# Altium PCB Minion_Rev2.PcbDoc (part 6 of 11)
Units mil, origin at the board's own origin, x right, y up, seen from the top; angles counter-clockwise.
Board outline 4724.41 x 6929.13 mil, 4 copper layers (L1, L2, L3, L4), stack 62.087 mil thick; 873 components, 147 nets, 5651 pads, 5666 vias.
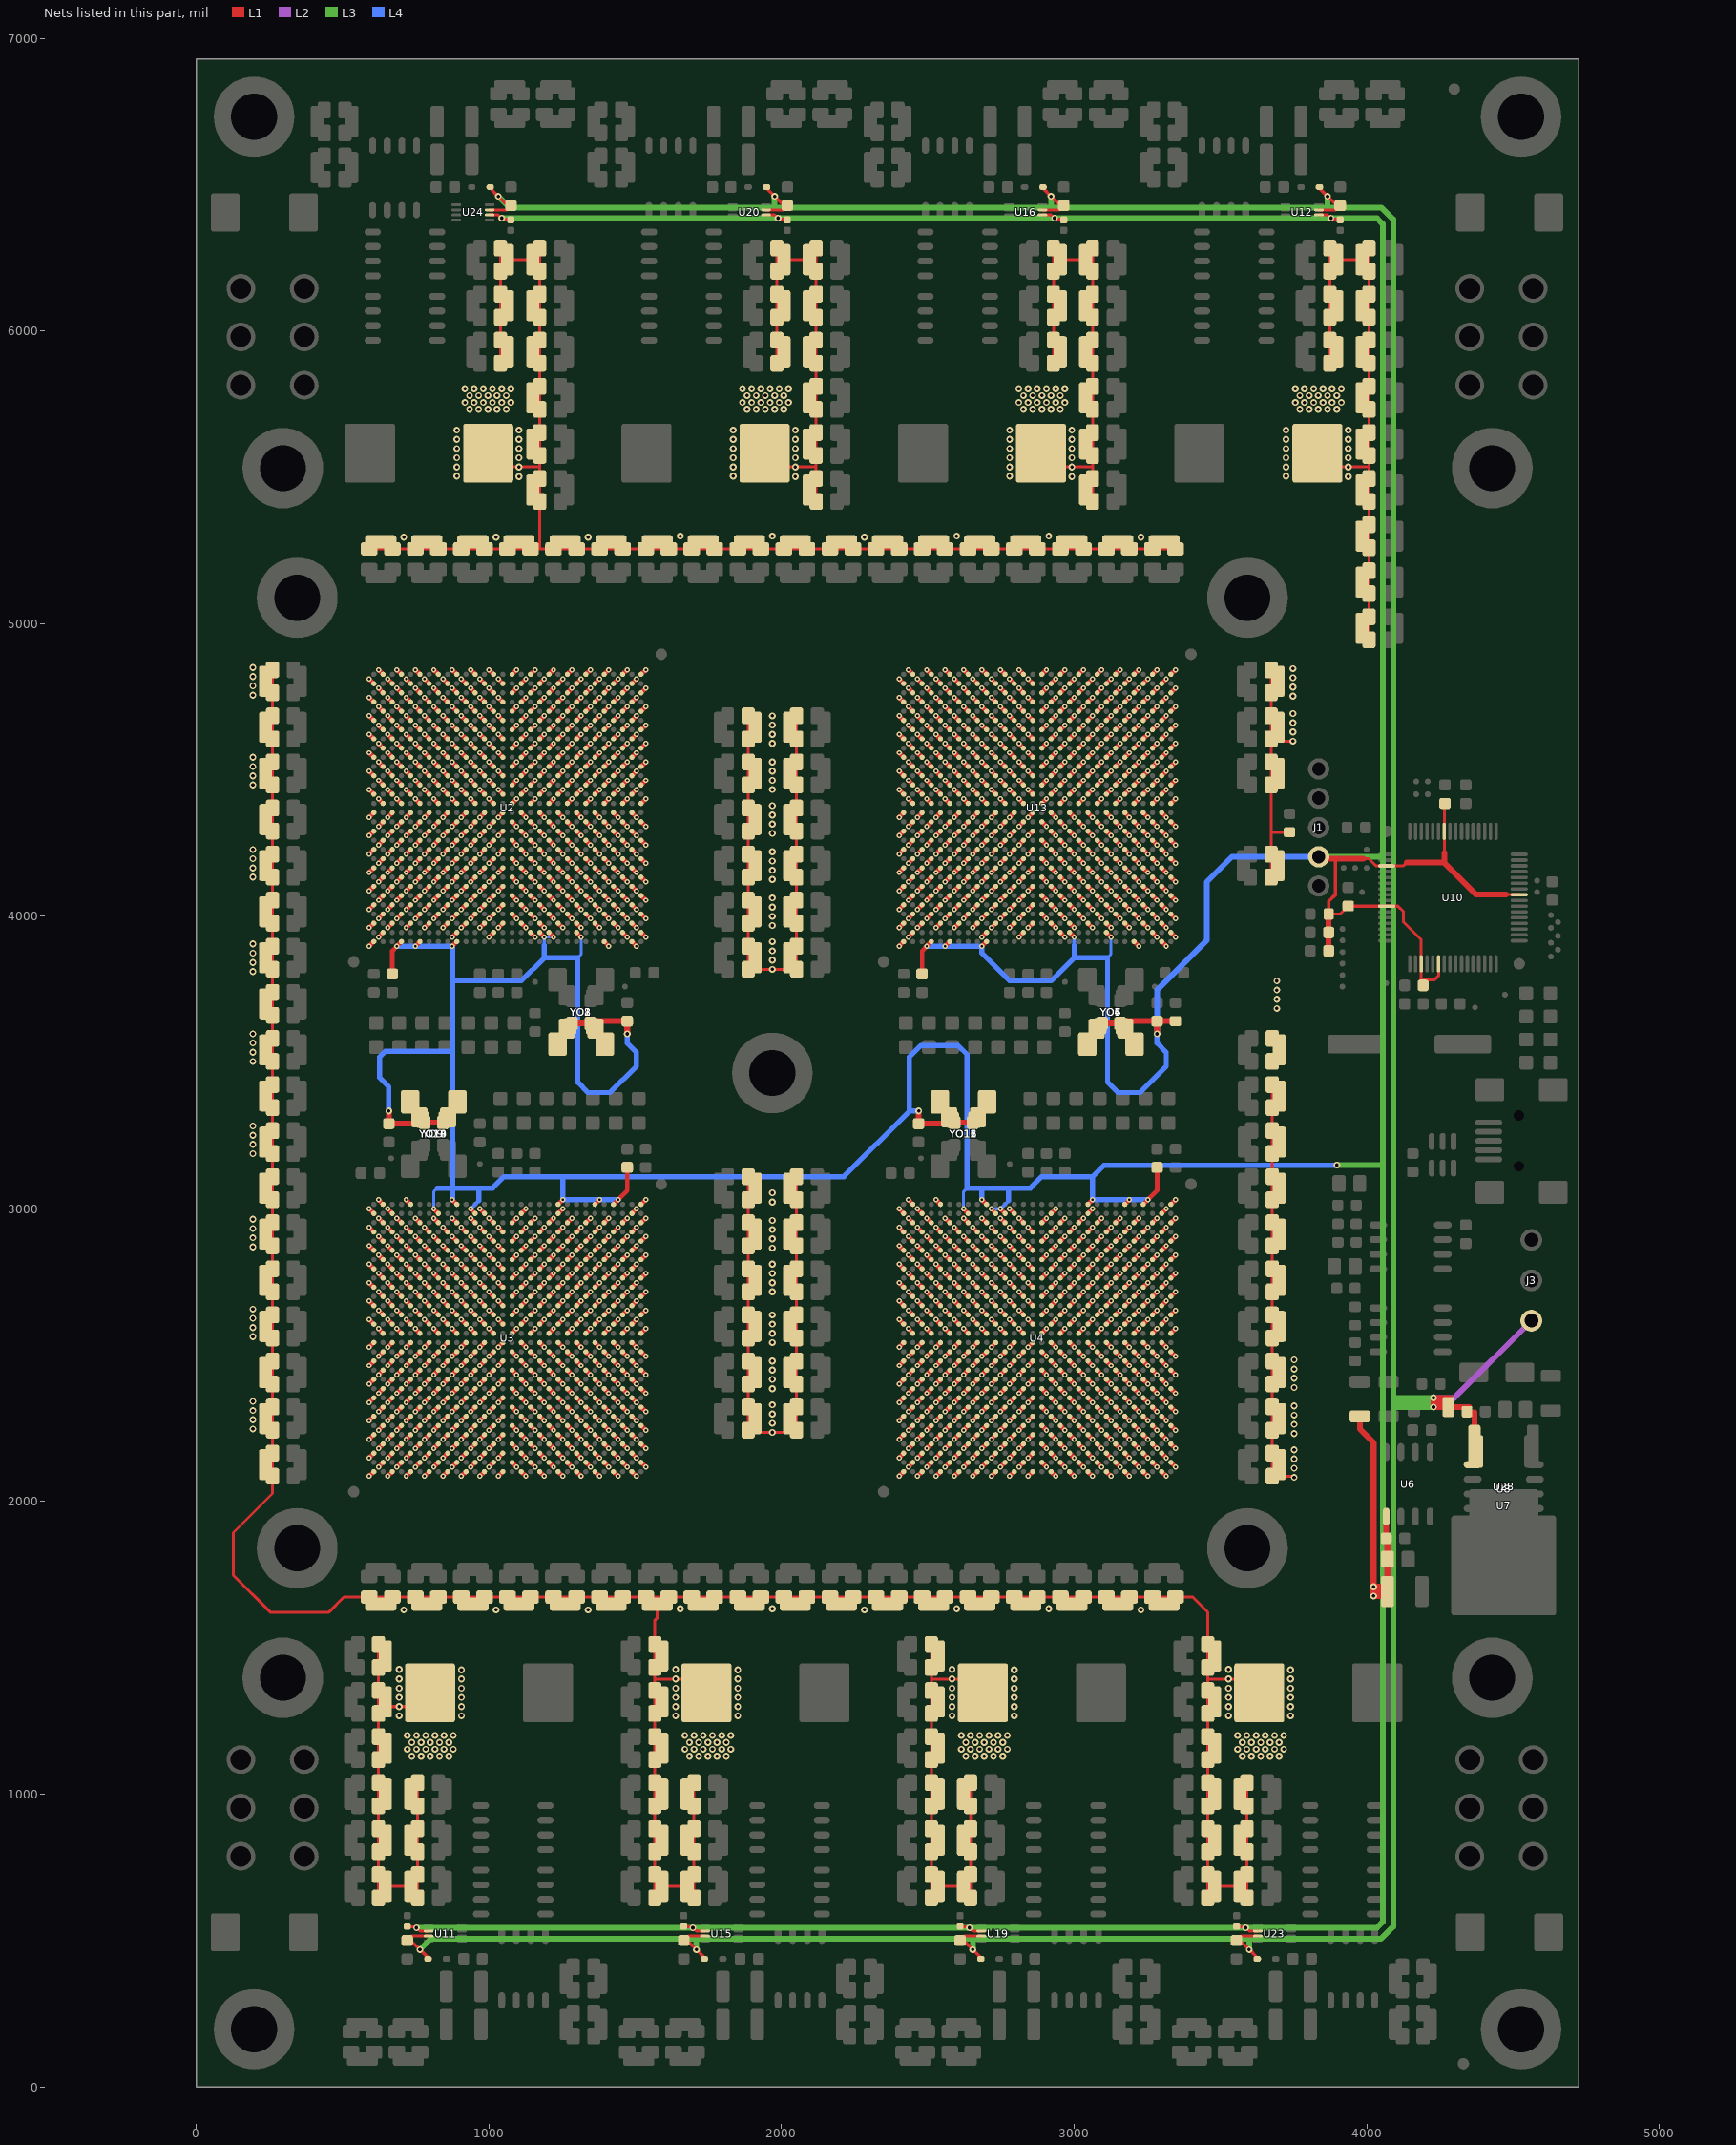
[diagram p8: the nets of this part, all layers, seen from the top]

## Via types
v1: diameter 17.72/17.72/17.72/17.72 (per signal layer), hole 7.87, L1 to L4, 3578 vias
v2: diameter 23.62/23.62/23.62/23.62 (per signal layer), hole 11.81, L1 to L4, 2088 vias

## Nets (pads, with @x,y where several pads share a name; then routed paths per layer and width w, separated by ;. In a path a pad name is that pad's centre, name@x,y a point inside that pad or via, vN(x,y) a via of type N, cw(c..) or ccw(c..) an arc to the next point about the centre after c; other vN are vias at no path point) (continued)
1V: (continued)
  L1 w15.75: v1(2653.54,2464.57) U4.N22@2669.29,2480.31 ; v1(2653.54,2527.56) U4.R22@2669.29,2543.31 ; v1(2653.54,2622.05) U4.U22@2669.29,2606.3 ; v1(2653.54,2685.04) U4.W22@2669.29,2669.29 ; v1(2653.54,2748.03) U4.AA22@2669.29,2732.28 ; v1(2653.54,2811.02) U4.AC22@2669.29,2795.28 ; v1(2653.54,2874.02) U4.AE22@2669.29,2858.27 ; v1(2653.54,2937.01) U4.AG22@2669.29,2921.26 ; v1(2653.54,3960.63) U13.AH9@2669.29,3976.38 ; v1(2653.54,4023.62) U13.AF9@2669.29,4039.37 ; v1(2653.54,4086.61) U13.AD9@2669.29,4102.36 ; v1(2653.54,4149.61) U13.AB9@2669.29,4165.35 ; v1(2653.54,4212.6) U13.Y9@2669.29,4228.35 ; v1(2653.54,4275.59) U13.V9@2669.29,4291.34 ; v1(2653.54,4338.58) U13.T9@2669.29,4354.33 ; v1(2653.54,4433.07) U13.P9@2669.29,4417.32 ; v1(2653.54,4496.06) U13.M9@2669.29,4480.31 ; v1(2653.54,4559.06) U13.K9@2669.29,4543.31 ; v1(2653.54,4622.05) U13.H9@2669.29,4606.3 ; v1(2653.54,4685.04) U13.F9@2669.29,4669.29 ; v1(2653.54,4748.03) U13.D9@2669.29,4732.28 ; v1(2653.54,4811.02) U13.B9@2669.29,4795.28 ; v1(2685.04,2118.11) U4.B21@2700.79,2133.86 ; v1(2685.04,2181.1) U4.D21@2700.79,2196.85 ; v1(2685.04,2244.09) U4.F21@2700.79,2259.84 ; v1(2685.04,2307.09) U4.H21@2700.79,2322.83 ; v1(2685.04,2370.08) U4.K21@2700.79,2385.83 ; v1(2685.04,2433.07) U4.M21@2700.79,2448.82 ; v1(2685.04,2496.06) U4.P21@2700.79,2511.81 ; v1(2685.04,2590.55) U4.T21@2700.79,2574.8 ; v1(2685.04,2653.54) U4.V21@2700.79,2637.8 ; v1(2685.04,2716.54) U4.Y21@2700.79,2700.79 ; v1(2685.04,2779.53) U4.AB21@2700.79,2763.78 ; v1(2685.04,2842.52) U4.AD21@2700.79,2826.77 ; v1(2685.04,2905.51) U4.AF21@2700.79,2889.76 ; v1(2685.04,2968.5) U4.AH21@2700.79,2952.76 ; v1(2685.04,3929.13) U13.AJ10@2700.79,3944.88 ; v1(2685.04,3992.13) U13.AG10@2700.79,4007.87 ; v1(2685.04,4055.12) U13.AE10@2700.79,4070.87 ; v1(2685.04,4118.11) U13.AC10@2700.79,4133.86 ; v1(2685.04,4181.1) U13.AA10@2700.79,4196.85 ; v1(2685.04,4244.09) U13.W10@2700.79,4259.84 ; v1(2685.04,4307.09) U13.U10@2700.79,4322.83 ; v1(2685.04,4401.57) U13.R10@2700.79,4385.83 ; v1(2685.04,4464.57) U13.N10@2700.79,4448.82 ; v1(2685.04,4527.56) U13.L10@2700.79,4511.81 ; v1(2685.04,4590.55) U13.J10@2700.79,4574.8 ; v1(2685.04,4653.54) U13.G10@2700.79,4637.8 ; v1(2685.04,4716.54) U13.E10@2700.79,4700.79 ; v1(2685.04,4779.53) U13.C10@2700.79,4763.78 ; v1(2685.04,4842.52) U13.A10@2700.79,4826.77 ; v1(2716.54,2086.61) U4.A20@2732.28,2102.36 ; v1(2716.54,2149.61) U4.C20@2732.28,2165.35 ; v1(2716.54,2212.6) U4.E20@2732.28,2228.35 ; v1(2716.54,2275.59) U4.G20@2732.28,2291.34 ; v1(2716.54,2338.58) U4.J20@2732.28,2354.33 ; v1(2716.54,2401.57) U4.L20@2732.28,2417.32 ; v1(2716.54,2464.57) U4.N20@2732.28,2480.31 ; v1(2716.54,2527.56) U4.R20@2732.28,2543.31 ; v1(2716.54,2622.05) U4.U20@2732.28,2606.3 ; v1(2716.54,2685.04) U4.W20@2732.28,2669.29 ; v1(2716.54,2748.03) U4.AA20@2732.28,2732.28 ; v1(2716.54,2811.02) U4.AC20@2732.28,2795.28 ; v1(2716.54,2874.02) U4.AE20@2732.28,2858.27 ; v1(2716.54,2937.01) U4.AG20@2732.28,2921.26 ; v1(2716.54,3960.63) U13.AH11@2732.28,3976.38 ; v1(2716.54,4023.62) U13.AF11@2732.28,4039.37 ; v1(2716.54,4086.61) U13.AD11@2732.28,4102.36 ; v1(2716.54,4149.61) U13.AB11@2732.28,4165.35 ; v1(2716.54,4212.6) U13.Y11@2732.28,4228.35 ; v1(2716.54,4275.59) U13.V11@2732.28,4291.34 ; v1(2716.54,4338.58) U13.T11@2732.28,4354.33 ; v1(2716.54,4433.07) U13.P11@2732.28,4417.32 ; v1(2716.54,4496.06) U13.M11@2732.28,4480.31 ; v1(2716.54,4559.06) U13.K11@2732.28,4543.31 ; v1(2716.54,4622.05) U13.H11@2732.28,4606.3 ; v1(2716.54,4685.04) U13.F11@2732.28,4669.29 ; v1(2716.54,4748.03) U13.D11@2732.28,4732.28 ; v1(2716.54,4811.02) U13.B11@2732.28,4795.28 ; v1(2748.03,2118.11) U4.B19@2763.78,2133.86 ; v1(2748.03,2181.1) U4.D19@2763.78,2196.85 ; v1(2748.03,2244.09) U4.F19@2763.78,2259.84 ; v1(2748.03,2307.09) U4.H19@2763.78,2322.83 ; v1(2748.03,2370.08) U4.K19@2763.78,2385.83 ; v1(2748.03,2433.07) U4.M19@2763.78,2448.82 ; v1(2748.03,2496.06) U4.P19@2763.78,2511.81 ; v1(2748.03,2590.55) U4.T19@2763.78,2574.8 ; v1(2748.03,2653.54) U4.V19@2763.78,2637.8 ; v1(2748.03,2716.54) U4.Y19@2763.78,2700.79 ; v1(2748.03,2779.53) U4.AB19@2763.78,2763.78 ; v1(2748.03,2842.52) U4.AD19@2763.78,2826.77 ; v1(2748.03,2905.51) U4.AF19@2763.78,2889.76 ; v1(2748.03,2968.5) U4.AH19@2763.78,2952.76 ; v1(2748.03,3992.13) U13.AG12@2763.78,4007.87 ; v1(2748.03,4055.12) U13.AE12@2763.78,4070.87 ; v1(2748.03,4118.11) U13.AC12@2763.78,4133.86 ; v1(2748.03,4181.1) U13.AA12@2763.78,4196.85 ; v1(2748.03,4244.09) U13.W12@2763.78,4259.84 ; v1(2748.03,4307.09) U13.U12@2763.78,4322.83 ; v1(2748.03,4401.57) U13.R12@2763.78,4385.83 ; v1(2748.03,4464.57) U13.N12@2763.78,4448.82 ; v1(2748.03,4527.56) U13.L12@2763.78,4511.81 ; v1(2748.03,4590.55) U13.J12@2763.78,4574.8 ; v1(2748.03,4653.54) U13.G12@2763.78,4637.8 ; v1(2748.03,4716.54) U13.E12@2763.78,4700.79 ; v1(2748.03,4779.53) U13.C12@2763.78,4763.78 ; v1(2748.03,4842.52) U13.A12@2763.78,4826.77 ; v1(2779.53,2086.61) U4.A18@2795.28,2102.36 ; v1(2779.53,2149.61) U4.C18@2795.28,2165.35 ; v1(2779.53,2212.6) U4.E18@2795.28,2228.35 ; v1(2779.53,2275.59) U4.G18@2795.28,2291.34 ; v1(2779.53,2338.58) U4.J18@2795.28,2354.33 ; v1(2779.53,2401.57) U4.L18@2795.28,2417.32 ; v1(2779.53,2464.57) U4.N18@2795.28,2480.31 ; v1(2779.53,2527.56) U4.R18@2795.28,2543.31 ; v1(2779.53,2622.05) U4.U18@2795.28,2606.3 ; v1(2779.53,2685.04) U4.W18@2795.28,2669.29 ; v1(2779.53,2748.03) U4.AA18@2795.28,2732.28 ; v1(2779.53,2811.02) U4.AC18@2795.28,2795.28 ; v1(2779.53,2874.02) U4.AE18@2795.28,2858.27 ; v1(2779.53,2937.01) U4.AG18@2795.28,2921.26 ; v1(2779.53,3000) U4.AJ18@2795.28,2984.25 ; v1(2779.53,3960.63) U13.AH13@2795.28,3976.38 ; v1(2779.53,4023.62) U13.AF13@2795.28,4039.37 ; v1(2779.53,4086.61) U13.AD13@2795.28,4102.36 ; v1(2779.53,4149.61) U13.AB13@2795.28,4165.35 ; v1(2779.53,4212.6) U13.Y13@2795.28,4228.35 ; v1(2779.53,4275.59) U13.V13@2795.28,4291.34 ; v1(2779.53,4338.58) U13.T13@2795.28,4354.33 ; v1(2779.53,4433.07) U13.P13@2795.28,4417.32 ; v1(2779.53,4496.06) U13.M13@2795.28,4480.31 ; v1(2779.53,4559.06) U13.K13@2795.28,4543.31 ; v1(2779.53,4622.05) U13.H13@2795.28,4606.3 ; v1(2779.53,4685.04) U13.F13@2795.28,4669.29 ; v1(2779.53,4748.03) U13.D13@2795.28,4732.28 ; v1(2779.53,4811.02) U13.B13@2795.28,4795.28 ; v1(2811.02,2118.11) U4.B17@2826.77,2133.86 ; v1(2811.02,2181.1) U4.D17@2826.77,2196.85 ; v1(2811.02,2244.09) U4.F17@2826.77,2259.84 ; v1(2811.02,2307.09) U4.H17@2826.77,2322.83 ; v1(2811.02,2370.08) U4.K17@2826.77,2385.83 ; v1(2811.02,2433.07) U4.M17@2826.77,2448.82 ; v1(2811.02,2496.06) U4.P17@2826.77,2511.81 ; v1(2811.02,2590.55) U4.T17@2826.77,2574.8 ; v1(2811.02,2653.54) U4.V17@2826.77,2637.8 ; v1(2811.02,2716.54) U4.Y17@2826.77,2700.79 ; v1(2811.02,2779.53) U4.AB17@2826.77,2763.78 ; v1(2811.02,2842.52) U4.AD17@2826.77,2826.77 ; v1(2811.02,2905.51) U4.AF17@2826.77,2889.76 ; v1(2811.02,2968.5) U4.AH17@2826.77,2952.76 ; v1(2811.02,3929.13) U13.AJ14@2826.77,3944.88 ; v1(2811.02,3992.13) U13.AG14@2826.77,4007.87 ; v1(2811.02,4055.12) U13.AE14@2826.77,4070.87 ; v1(2811.02,4118.11) U13.AC14@2826.77,4133.86 ; v1(2811.02,4181.1) U13.AA14@2826.77,4196.85 ; v1(2811.02,4244.09) U13.W14@2826.77,4259.84 ; v1(2811.02,4307.09) U13.U14@2826.77,4322.83 ; v1(2811.02,4401.57) U13.R14@2826.77,4385.83 ; v1(2811.02,4464.57) U13.N14@2826.77,4448.82 ; v1(2811.02,4527.56) U13.L14@2826.77,4511.81 ; v1(2811.02,4590.55) U13.J14@2826.77,4574.8 ; v1(2811.02,4653.54) U13.G14@2826.77,4637.8 ; v1(2811.02,4716.54) U13.E14@2826.77,4700.79 ; v1(2811.02,4779.53) U13.C14@2826.77,4763.78 ; v1(2811.02,4842.52) U13.A14@2826.77,4826.77 ; v1(2842.52,2086.61) U4.A16@2858.27,2102.36 ; v1(2842.52,2149.61) U4.C16@2858.27,2165.35 ; v1(2842.52,2212.6) U4.E16@2858.27,2228.35 ; v1(2842.52,2275.59) U4.G16@2858.27,2291.34 ; v1(2842.52,2338.58) U4.J16@2858.27,2354.33 ; v1(2842.52,2401.57) U4.L16@2858.27,2417.32 ; v1(2842.52,2464.57) U4.N16@2858.27,2480.31 ; v1(2842.52,2527.56) U4.R16@2858.27,2543.31 ; v1(2842.52,2622.05) U4.U16@2858.27,2606.3 ; v1(2842.52,2685.04) U4.W16@2858.27,2669.29 ; v1(2842.52,2748.03) U4.AA16@2858.27,2732.28 ; v1(2842.52,2811.02) U4.AC16@2858.27,2795.28 ; v1(2842.52,2874.02) U4.AE16@2858.27,2858.27 ; v1(2842.52,2937.01) U4.AG16@2858.27,2921.26 ; v1(2842.52,3960.63) U13.AH15@2858.27,3976.38 ; v1(2842.52,4023.62) U13.AF15@2858.27,4039.37 ; v1(2842.52,4086.61) U13.AD15@2858.27,4102.36 ; v1(2842.52,4149.61) U13.AB15@2858.27,4165.35 ; v1(2842.52,4212.6) U13.Y15@2858.27,4228.35 ; v1(2842.52,4275.59) U13.V15@2858.27,4291.34 ; v1(2842.52,4338.58) U13.T15@2858.27,4354.33 ; v1(2842.52,4433.07) U13.P15@2858.27,4417.32 ; v1(2842.52,4496.06) U13.M15@2858.27,4480.31 ; v1(2842.52,4559.06) U13.K15@2858.27,4543.31 ; v1(2842.52,4622.05) U13.H15@2858.27,4606.3 ; v1(2842.52,4685.04) U13.F15@2858.27,4669.29 ; v1(2842.52,4748.03) U13.D15@2858.27,4732.28 ; v1(2842.52,4811.02) U13.B15@2858.27,4795.28 ; U4.B15@2889.76,2133.86 v1(2905.51,2118.11) ; U4.D15@2889.76,2196.85 v1(2905.51,2181.1) ; U4.F15@2889.76,2259.84 v1(2905.51,2244.09) ; U4.H15@2889.76,2322.83 v1(2905.51,2307.09) ; U4.K15@2889.76,2385.83 v1(2905.51,2370.08) ; U4.M15@2889.76,2448.82 v1(2905.51,2433.07) ; U4.P15@2889.76,2511.81 v1(2905.51,2496.06) ; U4.T15@2889.76,2574.8 v1(2905.51,2590.55) ; U4.V15@2889.76,2637.8 v1(2905.51,2653.54) ; U4.Y15@2889.76,2700.79 v1(2905.51,2716.54) ; U4.AB15@2889.76,2763.78 v1(2905.51,2779.53) ; U4.AD15@2889.76,2826.77 v1(2905.51,2842.52) ; U4.AF15@2889.76,2889.76 v1(2905.51,2905.51) ; U4.AH15@2889.76,2952.76 v1(2905.51,2968.5) ; U13.AG16@2889.76,4007.87 v1(2905.51,3992.13) ; U13.AE16@2889.76,4070.87 v1(2905.51,4055.12) ; U13.AC16@2889.76,4133.86 v1(2905.51,4118.11) ; U13.AA16@2889.76,4196.85 v1(2905.51,4181.1) ; U13.W16@2889.76,4259.84 v1(2905.51,4244.09) ; U13.U16@2889.76,4322.83 v1(2905.51,4307.09) ; U13.R16@2889.76,4385.83 v1(2905.51,4401.57) ; U13.N16@2889.76,4448.82 v1(2905.51,4464.57) ; U13.L16@2889.76,4511.81 v1(2905.51,4527.56) ; U13.J16@2889.76,4574.8 v1(2905.51,4590.55) ; U13.G16@2889.76,4637.8 v1(2905.51,4653.54) ; U13.E16@2889.76,4700.79 v1(2905.51,4716.54) ; U13.C16@2889.76,4763.78 v1(2905.51,4779.53) ; U13.A16@2889.76,4826.77 v1(2905.51,4842.52) ; U4.A14@2921.26,2102.36 v1(2937.01,2086.61) ; U4.C14@2921.26,2165.35 v1(2937.01,2149.61) ; U4.E14@2921.26,2228.35 v1(2937.01,2212.6) ; U4.G14@2921.26,2291.34 v1(2937.01,2275.59) ; U4.J14@2921.26,2354.33 v1(2937.01,2338.58) ; U4.L14@2921.26,2417.32 v1(2937.01,2401.57) ; U4.N14@2921.26,2480.31 v1(2937.01,2464.57) ; U4.R14@2921.26,2543.31 v1(2937.01,2527.56) ; U4.U14@2921.26,2606.3 v1(2937.01,2622.05) ; U4.W14@2921.26,2669.29 v1(2937.01,2685.04) ; U4.AA14@2921.26,2732.28 v1(2937.01,2748.03) ; U4.AC14@2921.26,2795.28 v1(2937.01,2811.02) ; U4.AE14@2921.26,2858.27 v1(2937.01,2874.02) ; U4.AG14@2921.26,2921.26 v1(2937.01,2937.01) ; U4.AJ14@2921.26,2984.25 v1(2937.01,3000) ; U13.AH17@2921.26,3976.38 v1(2937.01,3960.63) ; U13.AF17@2921.26,4039.37 v1(2937.01,4023.62) ; U13.AD17@2921.26,4102.36 v1(2937.01,4086.61) ; U13.AB17@2921.26,4165.35 v1(2937.01,4149.61) ; U13.Y17@2921.26,4228.35 v1(2937.01,4212.6) ; U13.V17@2921.26,4291.34 v1(2937.01,4275.59) ; U13.T17@2921.26,4354.33 v1(2937.01,4338.58) ; U13.P17@2921.26,4417.32 v1(2937.01,4433.07) ; U13.M17@2921.26,4480.31 v1(2937.01,4496.06) ; U13.K17@2921.26,4543.31 v1(2937.01,4559.06) ; U13.H17@2921.26,4606.3 v1(2937.01,4622.05) ; U13.F17@2921.26,4669.29 v1(2937.01,4685.04) ; U13.D17@2921.26,4732.28 v1(2937.01,4748.03) ; U13.B17@2921.26,4795.28 v1(2937.01,4811.02) ; U4.B13@2952.76,2133.86 v1(2968.5,2118.11) ; U4.D13@2952.76,2196.85 v1(2968.5,2181.1) ; U4.F13@2952.76,2259.84 v1(2968.5,2244.09) ; U4.H13@2952.76,2322.83 v1(2968.5,2307.09) ; U4.K13@2952.76,2385.83 v1(2968.5,2370.08) ; U4.M13@2952.76,2448.82 v1(2968.5,2433.07) ; U4.P13@2952.76,2511.81 v1(2968.5,2496.06) ; U4.T13@2952.76,2574.8 v1(2968.5,2590.55) ; U4.V13@2952.76,2637.8 v1(2968.5,2653.54) ; U4.Y13@2952.76,2700.79 v1(2968.5,2716.54) ; U4.AB13@2952.76,2763.78 v1(2968.5,2779.53) ; U4.AD13@2952.76,2826.77 v1(2968.5,2842.52) ; U4.AF13@2952.76,2889.76 v1(2968.5,2905.51) ; U4.AH13@2952.76,2952.76 v1(2968.5,2968.5) ; U13.AJ18@2952.76,3944.88 v1(2968.5,3929.13) ; U13.AG18@2952.76,4007.87 v1(2968.5,3992.13) ; U13.AE18@2952.76,4070.87 v1(2968.5,4055.12) ; U13.AC18@2952.76,4133.86 v1(2968.5,4118.11) ; U13.AA18@2952.76,4196.85 v1(2968.5,4181.1) ; U13.W18@2952.76,4259.84 v1(2968.5,4244.09) ; U13.U18@2952.76,4322.83 v1(2968.5,4307.09) ; U13.R18@2952.76,4385.83 v1(2968.5,4401.57) ; U13.N18@2952.76,4448.82 v1(2968.5,4464.57) ; U13.L18@2952.76,4511.81 v1(2968.5,4527.56) ; U13.J18@2952.76,4574.8 v1(2968.5,4590.55) ; U13.G18@2952.76,4637.8 v1(2968.5,4653.54) ; U13.E18@2952.76,4700.79 v1(2968.5,4716.54) ; U13.C18@2952.76,4763.78 v1(2968.5,4779.53) ; U13.A18@2952.76,4826.77 v1(2968.5,4842.52) ; U4.A12@2984.25,2102.36 v1(3000,2086.61) ; U4.C12@2984.25,2165.35 v1(3000,2149.61) ; U4.E12@2984.25,2228.35 v1(3000,2212.6) ; U4.G12@2984.25,2291.34 v1(3000,2275.59) ; U4.J12@2984.25,2354.33 v1(3000,2338.58) ; U4.L12@2984.25,2417.32 v1(3000,2401.57) ; U4.N12@2984.25,2480.31 v1(3000,2464.57) ; U4.R12@2984.25,2543.31 v1(3000,2527.56) ; U4.U12@2984.25,2606.3 v1(3000,2622.05) ; U4.W12@2984.25,2669.29 v1(3000,2685.04) ; U4.AA12@2984.25,2732.28 v1(3000,2748.03) ; U4.AC12@2984.25,2795.28 v1(3000,2811.02) ; U4.AE12@2984.25,2858.27 v1(3000,2874.02) ; U4.AG12@2984.25,2921.26 v1(3000,2937.01) ; U13.AH19@2984.25,3976.38 v1(3000,3960.63) ; U13.AF19@2984.25,4039.37 v1(3000,4023.62) ; U13.AD19@2984.25,4102.36 v1(3000,4086.61) ; U13.AB19@2984.25,4165.35 v1(3000,4149.61) ; U13.Y19@2984.25,4228.35 v1(3000,4212.6) ; U13.V19@2984.25,4291.34 v1(3000,4275.59) ; U13.T19@2984.25,4354.33 v1(3000,4338.58) ; U13.P19@2984.25,4417.32 v1(3000,4433.07) ; U13.M19@2984.25,4480.31 v1(3000,4496.06) ; U13.K19@2984.25,4543.31 v1(3000,4559.06) ; U13.H19@2984.25,4606.3 v1(3000,4622.05) ; U13.F19@2984.25,4669.29 v1(3000,4685.04) ; U13.D19@2984.25,4732.28 v1(3000,4748.03) ; U13.B19@2984.25,4795.28 v1(3000,4811.02) ; U4.B11@3015.75,2133.86 v1(3031.5,2118.11) ; U4.D11@3015.75,2196.85 v1(3031.5,2181.1) ; U4.F11@3015.75,2259.84 v1(3031.5,2244.09) ; U4.H11@3015.75,2322.83 v1(3031.5,2307.09) ; U4.K11@3015.75,2385.83 v1(3031.5,2370.08) ; U4.M11@3015.75,2448.82 v1(3031.5,2433.07) ; U4.P11@3015.75,2511.81 v1(3031.5,2496.06) ; U4.T11@3015.75,2574.8 v1(3031.5,2590.55) ; U4.V11@3015.75,2637.8 v1(3031.5,2653.54) ; U4.Y11@3015.75,2700.79 v1(3031.5,2716.54) ; U4.AB11@3015.75,2763.78 v1(3031.5,2779.53) ; U4.AD11@3015.75,2826.77 v1(3031.5,2842.52) ; U4.AF11@3015.75,2889.76 v1(3031.5,2905.51) ; U4.AH11@3015.75,2952.76 v1(3031.5,2968.5) ; U13.AG20@3015.75,4007.87 v1(3031.5,3992.13) ; U13.AE20@3015.75,4070.87 v1(3031.5,4055.12) ; U13.AC20@3015.75,4133.86 v1(3031.5,4118.11) ; U13.AA20@3015.75,4196.85 v1(3031.5,4181.1) ; U13.W20@3015.75,4259.84 v1(3031.5,4244.09) ; U13.U20@3015.75,4322.83 v1(3031.5,4307.09) ; U13.R20@3015.75,4385.83 v1(3031.5,4401.57) ; U13.N20@3015.75,4448.82 v1(3031.5,4464.57) ; U13.L20@3015.75,4511.81 v1(3031.5,4527.56) ; U13.J20@3015.75,4574.8 v1(3031.5,4590.55) ; U13.G20@3015.75,4637.8 v1(3031.5,4653.54) ; U13.E20@3015.75,4700.79 v1(3031.5,4716.54) ; U13.C20@3015.75,4763.78 v1(3031.5,4779.53) ; U13.A20@3015.75,4826.77 v1(3031.5,4842.52) ; U4.A10@3047.24,2102.36 v1(3062.99,2086.61) ; U4.C10@3047.24,2165.35 v1(3062.99,2149.61) ; U4.E10@3047.24,2228.35 v1(3062.99,2212.6) ; U4.G10@3047.24,2291.34 v1(3062.99,2275.59) ; U4.J10@3047.24,2354.33 v1(3062.99,2338.58) ; U4.L10@3047.24,2417.32 v1(3062.99,2401.57) ; U4.N10@3047.24,2480.31 v1(3062.99,2464.57) ; U4.R10@3047.24,2543.31 v1(3062.99,2527.56) ; U4.U10@3047.24,2606.3 v1(3062.99,2622.05) ; U4.W10@3047.24,2669.29 v1(3062.99,2685.04) ; U4.AA10@3047.24,2732.28 v1(3062.99,2748.03) ; U4.AC10@3047.24,2795.28 v1(3062.99,2811.02) ; U4.AE10@3047.24,2858.27 v1(3062.99,2874.02) ; U4.AG10@3047.24,2921.26 v1(3062.99,2937.01) ; U4.AJ10@3047.24,2984.25 v1(3062.99,3000) ; U13.AH21@3047.24,3976.38 v1(3062.99,3960.63) ; U13.AF21@3047.24,4039.37 v1(3062.99,4023.62) ; U13.AD21@3047.24,4102.36 v1(3062.99,4086.61) ; U13.AB21@3047.24,4165.35 v1(3062.99,4149.61) ; U13.Y21@3047.24,4228.35 v1(3062.99,4212.6) ; U13.V21@3047.24,4291.34 v1(3062.99,4275.59) ; U13.T21@3047.24,4354.33 v1(3062.99,4338.58) ; U13.P21@3047.24,4417.32 v1(3062.99,4433.07) ; U13.M21@3047.24,4480.31 v1(3062.99,4496.06) ; U13.K21@3047.24,4543.31 v1(3062.99,4559.06) ; U13.H21@3047.24,4606.3 v1(3062.99,4622.05) ; U13.F21@3047.24,4669.29 v1(3062.99,4685.04) ; U13.D21@3047.24,4732.28 v1(3062.99,4748.03) ; U13.B21@3047.24,4795.28 v1(3062.99,4811.02) ; U4.B9@3078.74,2133.86 v1(3094.49,2118.11) ; U4.D9@3078.74,2196.85 v1(3094.49,2181.1) ; U4.F9@3078.74,2259.84 v1(3094.49,2244.09) ; U4.H9@3078.74,2322.83 v1(3094.49,2307.09) ; U4.K9@3078.74,2385.83 v1(3094.49,2370.08) ; U4.M9@3078.74,2448.82 v1(3094.49,2433.07) ; U4.P9@3078.74,2511.81 v1(3094.49,2496.06) ; U4.T9@3078.74,2574.8 v1(3094.49,2590.55) ; U4.V9@3078.74,2637.8 v1(3094.49,2653.54) ; U4.Y9@3078.74,2700.79 v1(3094.49,2716.54) ; U4.AB9@3078.74,2763.78 v1(3094.49,2779.53) ; U4.AD9@3078.74,2826.77 v1(3094.49,2842.52) ; U4.AF9@3078.74,2889.76 v1(3094.49,2905.51) ; U4.AH9@3078.74,2952.76 v1(3094.49,2968.5) ; U13.AG22@3078.74,4007.87 v1(3094.49,3992.13) ; U13.AE22@3078.74,4070.87 v1(3094.49,4055.12) ; U13.AC22@3078.74,4133.86 v1(3094.49,4118.11) ; U13.AA22@3078.74,4196.85 v1(3094.49,4181.1) ; U13.W22@3078.74,4259.84 v1(3094.49,4244.09) ; U13.U22@3078.74,4322.83 v1(3094.49,4307.09) ; U13.R22@3078.74,4385.83 v1(3094.49,4401.57) ; U13.N22@3078.74,4448.82 v1(3094.49,4464.57) ; U13.L22@3078.74,4511.81 v1(3094.49,4527.56) ; U13.J22@3078.74,4574.8 v1(3094.49,4590.55) ; U13.G22@3078.74,4637.8 v1(3094.49,4653.54) ; U13.E22@3078.74,4700.79 v1(3094.49,4716.54) ; U13.C22@3078.74,4763.78 v1(3094.49,4779.53) ; U13.A22@3078.74,4826.77 v1(3094.49,4842.52) ; U4.A8@3110.24,2102.36 v1(3125.98,2086.61) ; U4.C8@3110.24,2165.35 v1(3125.98,2149.61) ; U4.E8@3110.24,2228.35 v1(3125.98,2212.6) ; U4.G8@3110.24,2291.34 v1(3125.98,2275.59) ; U4.J8@3110.24,2354.33 v1(3125.98,2338.58) ; U4.L8@3110.24,2417.32 v1(3125.98,2401.57) ; U4.N8@3110.24,2480.31 v1(3125.98,2464.57) ; U4.R8@3110.24,2543.31 v1(3125.98,2527.56) ; U4.U8@3110.24,2606.3 v1(3125.98,2622.05) ; U4.W8@3110.24,2669.29 v1(3125.98,2685.04) ; U4.AA8@3110.24,2732.28 v1(3125.98,2748.03) ; U4.AC8@3110.24,2795.28 v1(3125.98,2811.02) ; U4.AE8@3110.24,2858.27 v1(3125.98,2874.02) ; U4.AG8@3110.24,2921.26 v1(3125.98,2937.01) ; U13.AH23@3110.24,3976.38 v1(3125.98,3960.63) ; U13.AF23@3110.24,4039.37 v1(3125.98,4023.62) ; U13.AD23@3110.24,4102.36 v1(3125.98,4086.61) ; U13.AB23@3110.24,4165.35 v1(3125.98,4149.61) ; U13.Y23@3110.24,4228.35 v1(3125.98,4212.6) ; U13.V23@3110.24,4291.34 v1(3125.98,4275.59) ; U13.T23@3110.24,4354.33 v1(3125.98,4338.58) ; U13.P23@3110.24,4417.32 v1(3125.98,4433.07) ; U13.M23@3110.24,4480.31 v1(3125.98,4496.06) ; U13.K23@3110.24,4543.31 v1(3125.98,4559.06) ; U13.H23@3110.24,4606.3 v1(3125.98,4622.05) ; U13.F23@3110.24,4669.29 v1(3125.98,4685.04) ; U13.D23@3110.24,4732.28 v1(3125.98,4748.03) ; U13.B23@3110.24,4795.28 v1(3125.98,4811.02) ; U4.B7@3141.73,2133.86 v1(3157.48,2118.11) ; U4.D7@3141.73,2196.85 v1(3157.48,2181.1) ; U4.F7@3141.73,2259.84 v1(3157.48,2244.09) ; U4.H7@3141.73,2322.83 v1(3157.48,2307.09) ; U4.K7@3141.73,2385.83 v1(3157.48,2370.08) ; U4.M7@3141.73,2448.82 v1(3157.48,2433.07) ; U4.P7@3141.73,2511.81 v1(3157.48,2496.06) ; U4.T7@3141.73,2574.8 v1(3157.48,2590.55) ; U4.V7@3141.73,2637.8 v1(3157.48,2653.54) ; U4.Y7@3141.73,2700.79 v1(3157.48,2716.54) ; U4.AB7@3141.73,2763.78 v1(3157.48,2779.53) ; U4.AD7@3141.73,2826.77 v1(3157.48,2842.52) ; U4.AF7@3141.73,2889.76 v1(3157.48,2905.51) ; U4.AH7@3141.73,2952.76 v1(3157.48,2968.5) ; U13.AG24@3141.73,4007.87 v1(3157.48,3992.13) ; U13.AE24@3141.73,4070.87 v1(3157.48,4055.12) ; U13.AC24@3141.73,4133.86 v1(3157.48,4118.11) ; U13.AA24@3141.73,4196.85 v1(3157.48,4181.1) ; U13.W24@3141.73,4259.84 v1(3157.48,4244.09) ; U13.U24@3141.73,4322.83 v1(3157.48,4307.09) ; U13.R24@3141.73,4385.83 v1(3157.48,4401.57) ; U13.N24@3141.73,4448.82 v1(3157.48,4464.57) ; U13.L24@3141.73,4511.81 v1(3157.48,4527.56) 